# Allegro board RK3588_Template_LP4XD200P232SD10_32R6X52R0_2133MHz_H0R80_V10_20230220.brd (continued)
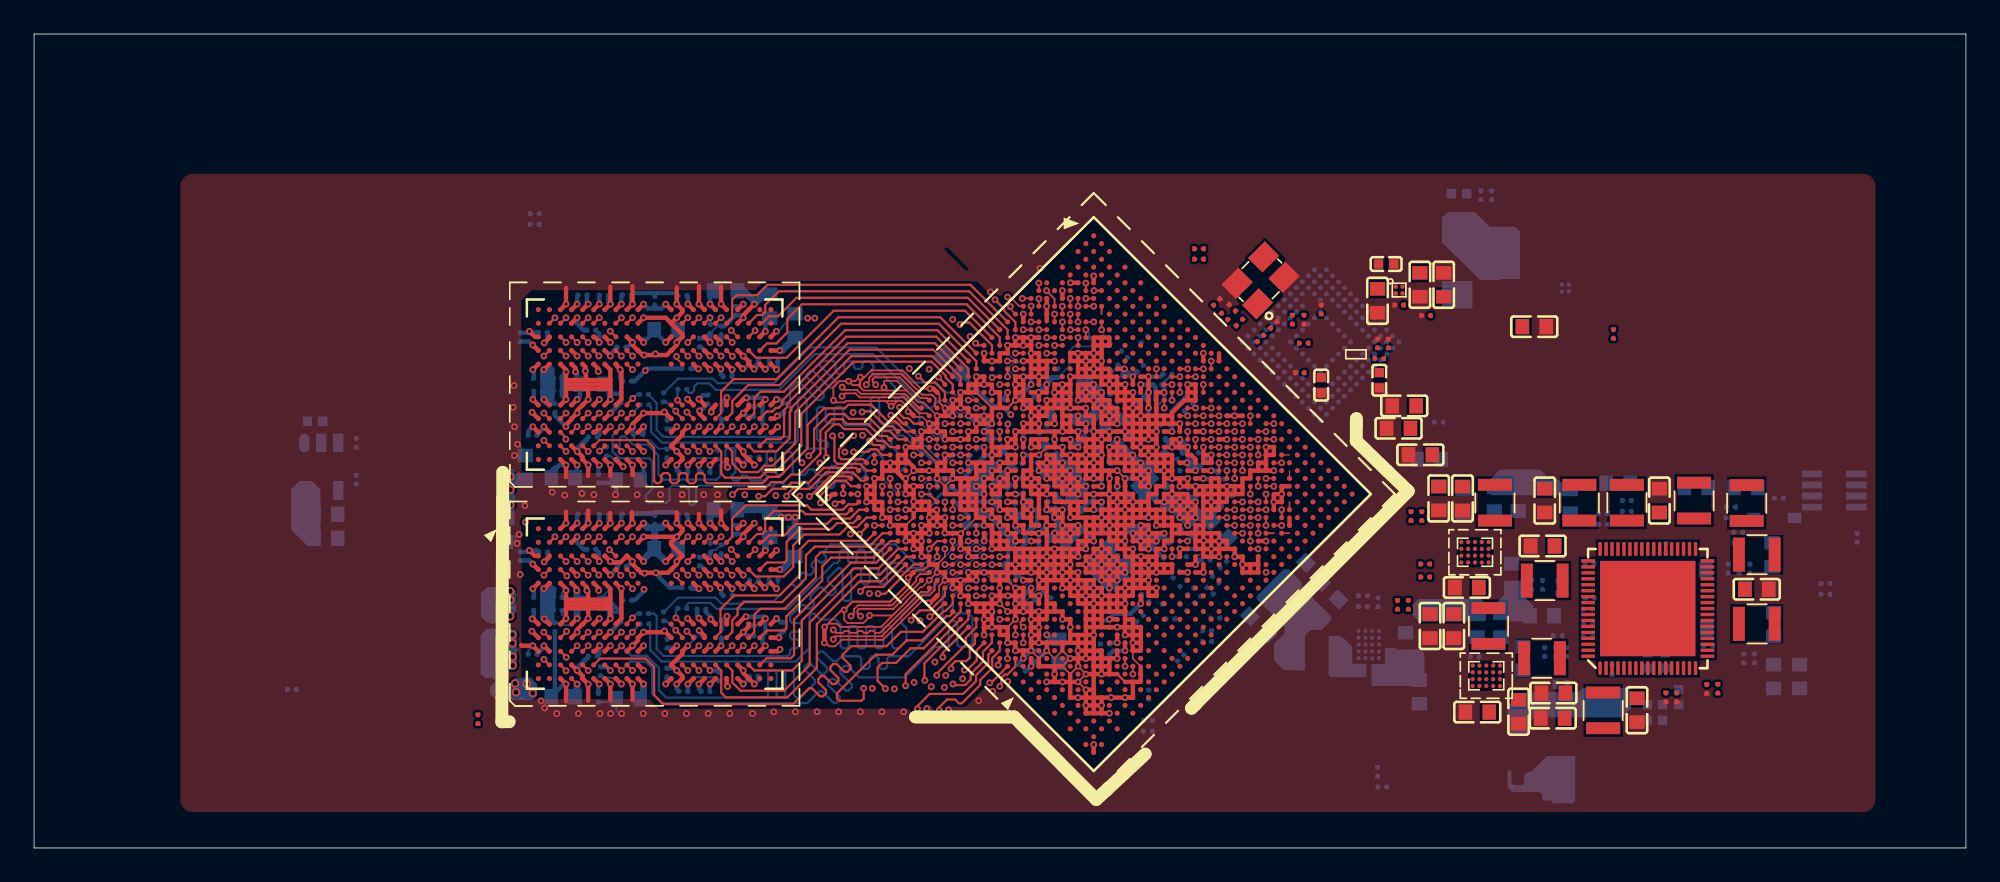
[diagram p0: board, top side]
## Routing (per net, layer and track width the routed paths; a pad name or vN(x,y) marks a point on that pad's centre or on a via; arc(x,y) is an arc through that point) (continued)
; 60.35,17.1 U1000.W11 ; 60.35,17.1 U1000.Y11 ; U1000.V4 v1(56.68,14.35) U1000.V5 ; U1000.V4 v1(56.22,14.81) U1000.V5 ; U1000.V4 55.76,14.35 ; U1000.AB29 v1(70,24) ; 70.92,21.24 70.92,21.7 70.92,21.7 ; U3800.V5 40.65,13.27 40.67,13.29 v1(40.67,13.61) ; v1(60.35,16.18) U1000.Y10 ; v1(60.35,16.18) U1000.AA11 ; v1(60.35,16.18) U1000.Y11 ; U1000.Y10 59.89,15.73 ; U1000.Y10 v1(59.43,16.18) ; 65.87,24.91 65.87,24.91 ; 65.87,24.91 v1(65.87,24.46) ; 65.87,24.91 65.41,24.91 ; 68.63,18.95 68.63,19.4 ; 68.63,18.95 U1000.AG22 ; 58.05,14.81 57.6,14.81 ; 58.05,14.81 U1000.W7 v1(57.6,15.27) 57.6,14.81 ; 62.65,13.43 62.65,12.97 ; 62.65,13.43 62.19,13.43 ; 62.65,12.97 62.19,12.97 ; U1000.AM24 71.84,16.65 ; 62.19,12.97 62.19,13.43 ; 62.19,12.97 v1(62.19,12.51) ; U1000.J21 v1(59.43,26.3) U1000.J20 ; U1000.J21 v1(59.89,26.76) ; U1000.J21 59.89,25.84 ; U3801.T1 v1(39.02,22.49) ; 64.03,13.43 U1000.AG12 ; U3800.D11 v1(31.87,18.27) ; U1000.R5 v1(55.76,16.18) U1000.T6 56.22,16.18 ; U1000.R5 v1(54.84,16.18) 54.84,15.73 ; U1000.R5 v1(55.3,15.72) 54.84,15.73 ; U1000.AC16 63.57,17.56 63.57,18.02 ; U1000.AC16 v1(64.03,18.02) ; U1000.AD10 61.73,14.8 v1(61.73,14.8) ; U1000.AD10 61.73,13.89 ; 32.52,27.48 33.57,27.48 ; 32.52,27.48 31.31,27.48 31.22,27.38 ; 63.11,22.16 v1(63.57,22.16) ; 60.81,12.05 60.81,12.51 ; 60.81,12.05 U1000.AE6 ; U1000.AL5 v1(62.65,8.37) ; U1000.AL5 62.19,8.83 ; U1000.AL5 v1(63.22,8.83) 64.03,8.83 v1(64.03,8.83) ; v1(62.65,8.37) U1000.AL4 ; v1(62.65,8.37) U1000.AM4 ; U1000.N26 64.03,26.3 ; U1000.N26 64.03,26.76 63.57,26.76 ; U1000.N26 v1(64.03,27.22) U1000.M26 ; 64.03,26.3 U1000.N25 ; 52.08,19.86 U1000.G6 ; v1(60.35,27.22) U1000.J23 60.81,27.22 ; v1(60.35,27.22) U1000.H22 v1(59.89,26.76) ; 63.57,18.94 63.57,18.48 ; 63.57,18.94 63.57,19.4 ; 63.57,18.94 U1000.AA17 ; 63.57,18.94 U1000.AA17 ; 63.57,18.94 63.58,18.95 64.03,18.95 ; 63.57,18.48 63.57,18.48 U1000.AA16 ; 63.57,18.48 63.57,18.02 ; 63.57,18.48 U1000.AB17 ; U1000.Y19 64.03,20.78 ; U3801.W4 v1(41.62,25.54) 41.95,25.86 U3801.Y5 ; 58.06,16.64 58.06,16.65 58.06,17.09 ; 58.06,16.64 U1000.V8 ; 70.92,21.7 71.38,21.7 71.38,22.16 71.84,22.16 ; 70.92,21.7 U1000.AF28 ; U1000.T26 v1(64.95,25.38) ; U1000.T26 65.41,24.91 ; v1(64.95,25.38) U1000.T25 ; v1(64.95,25.38) U1000.R25 ; 60.81,27.22 60.81,26.76 ; v1(59.43,16.18) 58.97,16.18 ; v1(59.43,16.18) U1000.Y9 ; 70,20.78 70,20.32 U1000.AF25 ; 70,20.78 69.55,20.78 ; 70,20.78 v1(70,21.24) ; U3800.Y8 v1(42.27,15.22) ; 60.81,12.51 v1(60.81,12.97) 60.81,13.43 v1(60.35,13.43) U1000.AC8 59.89,13.89 ; 60.81,12.51 61.27,12.51 ; 59.89,13.89 U1000.AB8 59.43,14.35 ; 56.22,18.02 U1000.P8 ; U3800.A3 v1(29.27,11.87) 28.63,11.87 28.58,11.92 ; 61.73,13.89 61.73,13.89 62.19,13.89 ; 39.02,32.99 v1(39.02,31.94) U3801.T12 ; 64.95,19.86 U1000.AB20 ; 64.95,19.86 U1000.AA20 ; 62.19,13.43 62.19,13.89 ; 65.87,26.76 v1(66.33,26.76) ; 65.87,26.76 U1000.R28 ; 58.06,17.09 57.59,17.09 ; 58.06,17.09 58.06,17.56 ; 59.89,15.73 U1000.Y9 ; 63.57,26.76 U1000.N25 ; 63.57,26.76 U1000.M26 ; 62.19,18.94 U1000.W16 62.19,19.4 ; 62.19,18.94 U1000.Y16 ; 62.19,18.94 U1000.Y15 ; U1000.AF24 69.09,19.4 68.63,19.4 ; U1000.AF24 69.54,19.86 69.55,19.86 U1000.AF25 ; v1(62.19,22.62) 62.19,23.08 U1000.R20 ; v1(62.19,22.62) U1000.T20 ; 55.76,22.62 U1000.J12 55.3,22.16 ; 55.76,22.62 U1000.H12 ; v1(58.05,13.89) U1000.Y5 ; U1000.AB5 58.51,12.97 ; 58.51,12.97 v1(58.51,12.51) ; 58.51,12.97 58.53,12.96 v1(58.97,12.96) ; 58.51,12.97 v1(58.51,13.42) ; U1000.AG12 63.57,13.89 ; U1000.AG12 v1(64.03,14.35) ; 63.57,13.89 U1000.AF11 ; v1(63.11,18.94) U1000.AA16 ; v1(63.11,18.94) U1000.AA17 ; v1(63.11,18.94) U1000.Y16 ; U1000.AA16 62.65,18.48 ; U1000.AA16 63.11,18.02 U1000.AB16 63.57,18.02 ; v1(62.19,24.46) U1000.N22 62.19,25.38 61.73,25.38 U1000.M22 v1(61.73,25.84) 61.27,25.84 U1000.K21 ; U1000.W19 64.03,20.78 ; 61.27,19.4 61.73,19.4 ; 61.27,19.4 60.82,19.4 v1(60.81,19.4) 60.81,19.41 60.81,19.86 ; 61.73,19.4 62.19,19.4 ; 53.92,15.72 U1000.P3 v1(53.46,15.72) U1000.N3 v1(53,16.18) U1000.M3 52.54,16.64 U1000.L3 52.12,17.1 v1(52.1,17.12) 52.06,17.16 52.06,17.55 U1000.K3 ; U1000.F16 56.22,25.38 v1(56.22,24.92) 55.76,24.92 U1000.F15 ; v1(54.84,22.62) U1000.H12 ; U1000.H12 55.3,22.16 ; v1(62.65,10.21) U1000.AJ7 ; v1(62.65,10.21) 62.19,10.21 ; U1000.AJ7 62.65,11.13 ; U1000.AJ7 62.19,10.67 ; U1000.AJ7 63.11,10.67 ; 64.49,24 64.49,23.54 ; 64.49,24 64.03,24 U1000.T23 v1(64.03,24.46) ; v1(55.76,27.22) 55.3,27.22 ; v1(55.76,27.22) U1000.C18 v1(55.3,27.68) 55.3,27.22 ; U1000.R25 64.49,24.92 ; v1(39.02,13.5) 39.02,13.47 U3800.T5 ; 54.84,21.7 U1000.H10 ; 54.84,21.7 U1000.J11 55.3,22.16 ; 54.84,21.7 U1000.J10 ; U1000.H10 54.38,21.25 ; U1000.H10 v1(53.92,21.7) 53.92,22.16 ; U1000.N25 63.57,26.3 ; 64.49,23.54 U1000.U23 ; 64.49,23.54 v1(64.95,23.54) ; 61.73,14.81 v1(61.73,14.8) ; 61.73,14.81 U1000.AC11 ; 62.65,11.13 U1000.AH8 62.19,11.59 ; 62.65,11.13 U1000.AJ8 ; 62.65,11.13 62.19,11.13 ; v1(58.97,15.72) U1000.Y9 ; v1(58.97,15.73) 58.97,16.18 ; 63.57,14.35 63.11,14.35 ; 56.22,16.18 56.7,16.18 ; U1000.C23 v1(57.6,29.97) 57.6,29.51 ; v1(62.19,12.51) 62.19,12.06 ; U1000.F10 v1(53.46,23.08) U1000.F11 53.92,23.08 ; U1000.F10 53.46,22.16 ; U1000.AB24 v1(67.25,21.24) U1000.AC24 ; U1000.AB24 v1(67.71,21.7) U1000.AC24 ; 60.81,24.92 U1000.L21 60.35,25.38 ; 60.81,24.92 U1000.M20 ; U1000.L19 59.89,24.46 58.97,24.46 ; v1(62.65,19.4) U1000.Y16 ; v1(62.65,19.4) 62.19,19.4 ; U1000.Y16 62.65,18.48 ; 33.82,32.96 v1(33.82,31.94) U3801.G12 ; 63.57,18.02 v1(64.03,18.02) ; U1000.Y12 v1(61.27,17.1) 61.27,17.56 ; U1000.Y12 v1(60.81,16.64) ; U1000.K26 62.65,27.67 ; U1000.K26 v1(62.65,28.59) ; 62.65,27.67 62.65,27.68 62.19,27.68 ; U1000.G10 53.46,22.16 ; U1000.G10 53.92,22.16 ; U1000.G10 53.92,22.16 ; 64.49,16.64 U1000.AE16 ; 64.49,16.64 U1000.AE15 ; v1(62.65,23.08) 62.19,23.08 U1000.R20 ; v1(62.65,23.08) 62.65,23.54 U1000.R21 ; v1(62.65,23.08) 62.65,22.62 U1000.T20 ; U3800.C12 v1(31.22,19.07) 31.22,19.75 ; U1000.J20 59.89,25.84 ; U1000.J20 v1(58.97,25.84) ; 33.57,27.48 33.8,27.48 33.82,27.46 ; v1(58.51,12.51) 58.51,12.05 ; 32.52,19.81 v1(32.52,19.07) U3800.E12 ; v1(57.59,16.65) 57.59,17.09 ; v1(57.59,16.65) 57.13,16.65 57.13,16.65 57.13,16.19 57.14,16.18 ; v1(50.24,22.62) U1000.C7 ; 66.32,16.64 U1000.AG18 66.79,16.18 66.32,16.18 ; 66.32,16.64 66.32,16.18 ; v1(65.41,23.08) U1000.V23 64.95,23.08 v1(64.95,23.54) ; v1(65.41,23.08) U1000.W23 65.87,22.62 ; U1000.R24 64.49,24.92 ; U1000.R24 v1(64.03,24.46) ; 64.49,24.92 U1000.T25 ; v1(61.73,11.13) 62.19,11.13 ; v1(61.73,11.13) U1000.AG6 ; 62.19,11.13 62.19,11.59 ; 62.19,11.13 62.19,10.67 62.19,10.67 ; 57.59,29.51 U1000.C22 ; 57.6,29.51 U1000.C22 ; U1000.C22 v1(57.14,29.51) U1000.C21 56.68,29.05 U1000.C20 v1(56.22,28.59) U1000.B19 v1(55.76,29.05) ; 33.82,8.71 v1(33.82,9.62) U3800.G1 ; U1000.F21 58.51,27.68 ; U1000.F21 v1(58.05,27.67) ; U1000.F21 58.51,27.68 ; 58.51,27.68 58.51,28.13 ; v1(64.03,18.02) U1000.AB17 ; U1000.AJ8 63.57,11.13 v1(63.57,11.13) U1000.AJ9 ; U1000.AJ8 63.11,10.67 ; U1000.AF25 69.55,20.78 ; 60.35,12.05 U1000.AE6 ; 60.35,12.05 60.35,11.59 ; 60.35,12.05 U1000.AE6 ; 66.79,18.94 U1000.AE21 67.25,18.48 ; 66.79,18.94 U1000.AD20 ; 66.79,18.94 U1000.AE20 ; 64.95,15.27 U1000.AF15 ; 51.62,23.54 U1000.C9 v1(51.16,23.54) U1000.C8 ; U1000.D31 v1(62.19,33.59) ; v1(55.76,12.51) U1000.W2 ; U1000.W2 v1(55.76,13.43) ; 71.84,22.16 72.3,22.16 ; 71.84,22.16 U1000.AF30 72.3,22.62 ; U1000.AG22 68.63,18.02 ; 58.51,12.05 U1000.AC4 ; 58.51,12.05 v1(58.51,11.59) U1000.AC3 ; U1000.K9 55.3,20.32 ; U1000.K9 54.84,20.78 ; U1000.K9 54.38,20.32 ; U1000.K9 54.84,19.86 ; 55.3,20.32 55.3,19.86 ; 55.3,20.32 55.3,20.32 55.3,20.78 54.84,20.78 ; v1(51.3,15.87) 51.62,16.18 ; U1000.T25 64.96,24.91 65.41,24.91 ; 62.19,8.83 U1000.AK5 ; 62.19,8.83 U1000.AL4 ; 62.19,8.83 61.73,8.83 ; v1(58.97,23.08) U1000.L16 58.51,22.62 U1000.M15 ; U1000.K3 v1(51.62,17.56) 51.62,18.02 ; U1000.G3 v1(50.24,18.94) U1000.F3 49.78,19.4 v1(49.78,19.4) U1000.E3 49.78,19.86 ; 54.84,14.81 v1(54.84,14.35) U1000.U3 ; 54.84,14.81 U1000.T3 54.84,14.81 ; U1000.AC11 61.27,15.27 ; U1000.AC11 v1(62.19,15.27) ; U1000.AC11 61.73,15.73 ; 61.27,15.27 61.27,15.72 ; v1(58.97,16.64) 58.97,16.18 ; v1(38.37,11.87) U3800.P3 38.05,11.4 U3800.N2 v1(37.72,10.42) 38.05,10.1 U3800.P1 v1(37.72,9.62) ; U3801.C1 v1(31.22,22.49) 31.22,21.78 ; 61.27,28.13 61.27,28.59 ; 51.62,20.79 v1(51.62,20.34) ; 60.81,9.75 U1000.AJ3 v1(61.27,8.83) U1000.AK4 ; 60.81,9.75 60.81,10.21 ; 60.81,9.75 v1(61.27,9.75) ; v1(64.03,21.7) U1000.W20 64.03,20.78 ; U1000.C8 51.16,22.83 51.33,22.67 ; U1000.C8 50.7,23.08 U1000.C7 ; U1000.AE12 v1(62.65,14.81) ; U1000.AE12 63.11,14.81 63.11,14.35 ; v1(62.65,14.81) U1000.AD12 v1(62.19,15.27) ; 54.84,20.78 U1000.J10 ; 62.19,10.21 62.19,10.21 U1000.AK5 ; 62.19,10.21 v1(61.73,10.21) ; 62.19,10.21 62.19,10.67 ; U1000.C7 50.7,22.04 ; U1000.C7 51.28,22.62 51.33,22.67 ; 73.68,19.4 U1000.AM28 ; 33.82,27.19 33.82,26.91 ; 33.82,27.19 33.79,27.22 31.22,27.22 ; 33.82,27.19 33.82,27.46 ; 33.82,26.91 v1(33.82,26.34) U3801.G5 ; U1000.R20 62.19,23.54 ; U1000.R21 62.19,23.54 ; v1(58.51,21.7) U1000.M14 ; v1(58.51,21.7) U1000.M15 ; v1(58.51,21.7) U1000.N15 58.97,21.7 v1(58.97,21.24) ; v1(58.51,21.7) U1000.N14 ; U1000.M14 58.05,21.24 U1000.N14 ; U1000.M14 58.05,22.16 U1000.M15 ; 64.95,16.18 U1000.AF16 ; 64.95,16.18 U1000.AE15 ; 64.95,16.18 U1000.AE16 ; 64.95,16.18 U1000.AF15 ; U1000.AF16 v1(65.87,16.18) ; U1000.AF16 v1(65.41,15.73) ; v1(54.38,25.84) 54.38,26.3 U1000.C15 ; v1(54.38,25.84) 53.92,25.84 ; U1000.H28 62.65,29.51 ; U1000.H28 63.11,29.97 63.11,29.51 ; 62.65,29.51 U1000.J27 ; 62.65,29.51 63.11,29.51 U1000.J28 63.11,29.51 ; U1000.N20 61.27,24 ; 61.27,24 61.73,24 ; 61.27,24 v1(61.27,24.46) U1000.M20 ; U1000.AA11 v1(60.81,16.64) ; U1000.AA11 v1(61.27,16.18) 61.27,15.73 ; 59.43,28.13 58.97,28.13 ; 59.43,28.13 U1000.F23 ; U1000.J5 v1(52.54,19.4) ; U1000.N14 v1(58.97,21.24) ; v1(40.66,26.44) 40.61,26.44 40.61,26.44 40.65,26.4 U3801.V5 ; U1000.D3 49.78,20.32 49.78,19.86 ; U1000.D3 v1(48.86,20.32) v1(48.86,21.24) U1000.C4 ; U1000.D3 49.32,19.86 49.78,19.86 ; U1000.AN7 v1(64.03,8.83) ; U1000.AN7 64.49,9.75 U1000.AM8 ; U1000.AN7 v1(64.03,8.83) ; v1(57.6,27.22) U1000.E20 v1(58.05,27.68) ; v1(57.6,27.22) U1000.F19 57.6,26.76 ; U1000.AJ11 64.95,12.51 ; U1000.V25 v1(65.87,24.46) ; U1000.C28 v1(60.35,32.73) ; v1(64.03,15.27) U1000.AE13 ; v1(64.03,15.27) U1000.AF13 ; U1000.AF15 v1(65.41,15.72) ; 58.51,28.59 58.97,28.59 58.97,28.59 ; 58.51,28.59 v1(58.51,29.05) ; 58.51,28.59 58.51,28.13 ; 58.51,28.59 U1000.E22 v1(58.05,28.59) ; U1000.Y5 v1(57.14,13.89) ; U1000.Y5 v1(57.59,13.43) ; 58.97,24.46 v1(58.97,24.92) ; 58.97,24.46 U1000.K18 58.51,24.46 ; 53.44,18.51 53.44,18.51 53.51,18.51 53.54,18.48 U1000.L6 54.36,18.48 54.38,18.46 ; 53.44,18.51 v1(53.46,18.5) ; 53.44,18.51 53.46,18.53 53.46,18.94 ; 58.97,28.13 U1000.F22 ; 58.97,28.14 58.97,28.59 ; 58.97,28.14 U1000.F22 ; 57.14,12.51 v1(57.14,12.05) U1000.AB3 v1(57.6,11.59) U1000.AC3 ; v1(62.19,29.05) U1000.J27 ; v1(62.19,29.05) 61.73,29.05 U1000.H26 ; U3800.V12 v1(40.32,19.07) 40.32,19.82 ; v1(42.26,28.12) 42.27,28.12 42.27,28.13 42.23,28.13 U3801.Y8 41.95,28.56 v1(41.62,28.89) U3801.W9 ; 32.52,14.58 32.52,14.07 ; 32.52,14.58 32.52,15.02 32.45,15.09 v1(32.45,15.12) 32.45,15.3 U3800.E8 ; 32.52,14.58 33.57,14.58 ; 32.52,14.58 31.24,14.58 31.22,14.56 ; 32.52,14.07 v1(32.52,13.47) U3800.E5 31.87,12.82 v1(31.87,12.67) U3800.D4 ; 32.52,14.07 33.57,14.07 ; 55.76,14.35 U1000.U3 ; 72.3,22.62 72.3,22.16 ; 72.3,22.62 U1000.AF31 ; 72.3,22.16 v1(72.76,22.16) ; U1000.G6 51.68,20.32 51.62,20.38 v1(51.62,20.34) ; U1000.M11 v1(56.22,20.32) ; 63.11,29.51 63.11,29.51 ; U3800.W4 v1(41.62,12.67) 41.95,13 U3800.Y5 ; 33.82,27.46 33.82,28.09 U3801.G8 ; v1(69.54,18.02) U1000.AJ23 70,17.61 70.05,17.56 ; v1(69.54,18.02) U1000.AJ22 ; 54.84,19.86 54.84,19.86 U1000.K8 54.38,20.32 ; 54.84,19.86 55.3,19.86 ; U3801.AB3 43.32,24.41 v1(43.64,24.73) ; 31.22,32.88 v1(31.22,31.94) U3801.C12 ; U3801.AB8 v1(43.57,28.09) ; U1000.AB32 70.92,25.38 U1000.AB32 ; U1000.AB32 v1(70.46,25.38) U1000.AA31 ; U1000.F22 58.51,28.13 ; U3800.AB3 43.67,11.55 v1(43.78,11.66) ; v1(61.27,10.67) U1000.AG6 ; U1000.AG6 v1(60.81,11.13) ; U1000.J15 v1(57.14,24) U1000.J16 ; U1000.J15 57.14,23.54 v1(57.59,23.54) U1000.J16 ; U3801.A3 v1(29.27,24.74) ; 66.32,16.18 v1(65.87,16.18) ; U1000.AF13 v1(64.03,14.35) ; 67.71,26.76 68.16,26.76 ; U3800.N4 v1(37,12.74) 36.93,12.67 v1(35.77,12.67) U3800.K4 35.45,12.2 v1(35.12,11.87) U3800.J3 ; U1000.AB17 64.03,18.95 ; 31.22,26.96 v1(31.22,26.34) U3801.C5 ; 31.22,26.96 31.22,27.22 ; 62.19,11.59 62.19,12.06 ; U3801.G3 v1(33.82,24.74) ; v1(58.51,13.42) 58.97,13.42 U1000.AB6 ; U1000.AL4 62.19,7.91 ; U1000.AL4 v1(61.73,8.37) ; 57.14,16.18 56.7,16.18 ; 57.14,16.18 57.6,16.18 ; U1000.AA24 66.79,22.62 ; U1000.J27 v1(62.65,28.59) ; 61.73,24 U1000.P20 ; U3801.T8 v1(39.67,28.09) ; U3800.G12 v1(33.82,19.07) 33.82,19.67 ; U3801.V12 v1(40.32,31.94) 40.32,32.97 ; 70.05,17.56 U1000.AJ22 ; U1000.F23 58.97,28.59 ; U1000.F23 v1(59.89,28.59) ; v1(55.76,13.43) U1000.W3 ; U1000.AK4 v1(61.73,8.37) ; U1000.AK4 61.73,8.83 ; v1(61.73,8.37) U1000.AL3 62.19,7.91 ; 31.22,27.22 31.22,27.38 ; v1(42.27,22.49) U3801.Y1 41.62,23.14 v1(41.62,23.29) U3801.W2 ; U1000.J6 v1(53.46,19.4) 53.46,18.94 ; U1000.J6 v1(52.54,19.4) ; 33.57,14.58 33.79,14.58 33.82,14.61 ; 33.57,14.58 33.57,14.07 ; v1(58.97,12.96) U1000.AB6 ; 73.22,20.78 v1(73.22,20.78) ; 73.22,20.78 v1(73.22,20.78) ; 73.22,20.78 U1000.AK29 73.22,20.32 v1(72.76,20.32) ; 73.22,20.78 U1000.AJ30 73.68,21.24 73.68,21.24 ; v1(73.22,20.78) 72.76,20.78 v1(72.76,20.32) ; U3800.T1 v1(39.02,9.62) ; U1000.AM4 v1(63.11,7.91) ; U1000.AM4 62.19,7.91 ; U1000.H14 56.22,24 56.22,24.46 U1000.G15 56.22,24.46 v1(55.76,24.46) ; U1000.AE20 67.25,18.48 ; U1000.Y11 v1(60.81,16.64) ; v1(65.41,23.99) 65.41,24.91 ; 35.13,21.9 35.12,21.9 v1(35.12,22.49) U3801.J1 ; U1000.AE13 63.57,15.27 ; U1000.AP1 v1(62.19,6.07) ; 68.63,20.78 U1000.AD25 ; 68.63,20.78 69.55,20.78 ; U1000.AC3 v1(58.05,11.13) ; v1(46.4,12.98) 46.38,12.96 v1(46.38,12.05) ; U1000.AD25 v1(68.17,21.24) ; U1000.V8 57.6,16.18 ; v1(42.27,31.94) U3801.Y12 41.62,31.29 v1(41.62,31.14) U3801.W11 ; 58.51,24.92 58.97,24.92 v1(58.97,24.92) ; 58.51,24.92 v1(58.51,25.38) ; 58.51,24.92 U1000.J18 ; 58.51,24.92 58.51,24.46 ; 61.27,15.73 61.73,15.73 ; 61.73,15.73 U1000.AC12 v1(62.19,15.27) ; U1000.C15 v1(53.92,26.3) 53.92,25.84 ; U3801.V8 v1(40.97,28.09) ; 58.97,28.59 58.97,29.05 U1000.E23 v1(58.51,29.05) ; 31.22,27.38 v1(31.22,27.95) 31.22,28.09 U3801.C8 ; U3801.K2 v1(35.77,23.29) ; 65.87,22.62 U1000.Y24 ; 58.97,10.67 58.97,11.13 ; 58.97,10.67 U1000.AE3 ; 59.89,25.84 U1000.K21 ; U1000.AF31 v1(72.3,23.54) U1000.AF32 72.76,23.08 U1000.AF31 ; U1000.AK5 v1(61.73,9.29) 61.73,8.83 ; 33.57,14.07 33.78,14.07 33.82,14.03 ; U1000.C14 53.92,25.84 ; 54.38,18.46 v1(54.39,18.46) ; 54.38,18.46 U1000.M6 v1(54.38,17.56) U1000.N6 54.84,17.1 v1(54.84,17.1) U1000.P6 ; 33.82,14.61 33.82,15.22 U3800.G8 ; 33.82,14.61 33.82,14.31 ; U1000.Y24 66.79,22.62 ; 57.59,17.09 57.59,17.56 U1000.T9 ; U1000.V27 v1(67.25,24.92) 67.25,24.46 U1000.W27 ; U3801.T5 39.35,26.04 v1(39.02,26.36) ; U1000.T9 58.06,17.56 ; U1000.Y15 62.65,18.48 ; v1(68.17,21.24) U1000.AC24 ; U1000.T33 v1(68.63,29.05) ; U3800.C1 v1(31.22,9.62) 31.22,8.61 ; 60.35,25.38 U1000.K21 ; 61.27,22.16 61.27,22.16 ; 33.82,21.85 v1(33.82,22.49) U3801.G1 ; 54.38,21.25 54.39,21.24 U1000.J10 ; 63.11,14.35 U1000.AF11 ; v1(38.37,24.74) U3801.P3 38.05,24.26 U3801.N2 v1(37.72,23.29) 38.05,22.96 U3801.P1 v1(37.72,22.49) ; 58.97,16.18 U1000.W9 ; 58.97,16.18 U1000.W9 ; 58.06,17.56 58.51,17.56 ; 68.17,24.46 68.16,24.46 ; 68.17,24.46 v1(68.63,24.46) ; 68.17,24.46 U1000.Y28 ; U3800.K2 v1(35.77,10.42) ; U3800.W2 v1(41.62,10.42) 41.62,10.27 U3800.Y1 v1(42.27,9.62) ; U1000.B27 v1(59.43,31.81) U1000.C26 59.43,30.93 ; U3801.A10 29.39,30.01 v1(29.07,30.34) ; U1000.P20 62.19,23.54 ; U3800.AB8 v1(43.57,15.22) ; U3800.C8 31.22,15.22 v1(31.22,15.12) 31.22,14.56 ; U1000.U12 v1(59.43,18.94) ; U3801.T10 v1(39.67,29.69) ; 33.82,14.03 v1(33.82,13.47) U3800.G5 ; 33.82,14.03 33.82,14.31 ; v1(52.58,26.98) 52.78,26.98 U1000.A14 ; U1000.AM8 64.03,9.75 ; U1000.AM8 64.95,9.75 U1000.AM9 64.95,10.66 ; 33.82,14.31 33.81,14.33 31.22,14.33 ; 31.22,14.33 31.22,14.56 ; U3801.T3 v1(39.67,24.74) ; U3800.J12 v1(35.12,19.07) 35.1,19.1 35.1,19.72 ; v1(40.7,22.35) 40.65,22.41 U3801.V1 ; U3801.D2 v1(31.87,23.29) 32.2,22.96 U3801.E1 v1(32.52,22.49) 32.52,21.85 ; U3800.AB5 v1(43.57,13.47) ; U3800.V8 v1(40.97,15.22) ; v1(42.27,19.07) U3800.Y12 41.62,18.42 v1(41.62,18.27) U3800.W11 ; 69.54,29.05 U1000.U34 ; U3801.AB5 v1(43.57,26.34) ; U3801.AB10 v1(43.57,30.34) ; U3800.AB10 v1(43.57,17.47) ; 35.12,8.69 v1(35.12,9.62) U3800.J1 ; U1000.AL25 v1(72.3,18.02) ; v1(59.43,18.94) U1000.U13 ; U3801.J12 v1(35.12,31.94) 35.12,32.99 ; U3800.T8 v1(39.67,15.22) ; U3800.G3 v1(33.82,11.87) ; U1000.C30 v1(60.83,33.19) ; U3800.T3 v1(39.67,11.87) ; U3801.E12 v1(32.52,31.94) ; v1(72.76,20.32) U1000.AK28 ; U3800.T10 v1(39.67,16.82) ; U3800.D9 v1(31.87,16.02)
  L3-POWER1 w0.203: v1(70.92,16.64) 70.92,16.64 v1(70.46,17.1) 70.46,17.31 70.21,17.56 v1(69.09,17.56)
  L4-S1 w0.084: v1(31.87,28.89) 31.87,29.06 31.67,29.26 30.99,29.26 30.63,28.9 ; 47.64,15.05 45.82,16.87 43.65,16.87 43.57,16.79 43.57,16.58 43.46,16.48 43.46,16.22 43.57,16.11 v1(43.57,15.22) ; v1(36.5,16.16) 36.47,16.13 v1(35.84,16.13) ; 30.44,15.7 31.02,16.29 31.58,16.29 31.84,16.02 v1(31.87,16.02)
  L4-S1 w0.089: 43.28,27.8 43.95,27.8 44.01,27.86 ; 43.28,27.8 42.78,27.8 ; 43.28,27.8 43.36,27.88 ; 44.01,27.86 44.06,27.91 ; 44.01,27.86 43.98,27.88 43.36,27.88 ; 47.95,26.82 47.9,26.77 47.85,26.82 47.85,26.36 47.63,26.14 47.06,26.14 ; v1(49.88,27.04) 49.66,26.82 48.45,26.82 ; 43.36,27.88 v1(43.57,28.09)
  L4-S1 w0.102: 47.9,26.86 47.94,26.82 47.95,26.82 ; 47.9,26.86 47.85,26.91 ; 47.9,26.86 48.42,26.86 48.45,26.82 ; 44.47,26.01 44.14,26.34 v1(43.57,26.34) 43.2,25.96 41.9,25.96 41.85,26.01 ; 44.47,26.01 41.85,26.01 ; 44.47,26.01 46.64,26.01 v1(46.91,26.29) 47.06,26.14 ; v1(40.97,28.09) 40.97,27.82 40.99,27.8 ; 36.76,28.87 37.15,29.27 38.19,29.27 38.21,29.25 38.6,29.25 38.71,29.13 38.71,29.03 38.71,29.02 38.71,28.63 38.88,28.45 39.31,28.45 v1(39.67,28.09) 39.96,27.8 40.99,27.8 ; 36.76,28.87 36.61,28.87 v1(36.46,29.02) 36.33,28.89 35.86,28.89 v1(35.8,28.95) ; 36.76,28.87 36.94,28.87 38.42,27.39 38.47,27.39 38.55,27.32 39.6,27.32 39.71,27.2 44.29,27.2 ; v1(36.5,16.16) 36.65,16.01 36.89,16.01 ; 45.02,13.79 45.83,12.98 v1(46.4,12.98) ; 45.02,13.79 44.45,14.36 ; 45.02,13.79 45.02,14.36 ; 47.95,26.82 48.45,26.82 ; 47.95,26.82 47.95,26.82 ; v1(43.57,28.09) 43.75,27.91 44.06,27.91 44.13,27.98 44.42,27.98 44.48,27.91 44.72,27.91 44.79,27.98 45.53,27.98 46.85,29.3 48.31,29.3 50.02,27.58 50.02,27.19 v1(49.88,27.04) ; 44.45,14.36 38.82,14.36 38.76,14.42 37.74,14.42 37.62,14.54 37.62,15.44 37.05,16.01 36.89,16.01 ; 44.45,14.36 45.02,14.36 ; v1(47.55,13.98) 47.55,14 47.19,14.36 45.02,14.36 ; 36.89,16.01 37.25,16.37 38.22,16.37 38.23,16.38 38.52,16.38 38.52,16.37 38.95,16.37 38.98,16.34 39.15,16.34 39.34,16.15 39.34,15.56 v1(39.67,15.22) 39.69,15.22 39.95,14.96 40.71,14.96 v1(40.97,15.22) 41.24,14.96 42.11,14.96 42.27,15.12 v1(42.27,15.22) 42.54,14.96 43.47,14.96 43.57,15.07 v1(43.57,15.22) ; 41.85,26.01 41.78,26.08 41.03,26.08 v1(40.66,26.44) 40.61,26.44 40.61,26.5 40.5,26.6 39.25,26.6 39.02,26.37 v1(39.02,26.36) 38.68,26.7 38.3,26.7 38.28,26.72 30.23,26.72 30,26.95 30,27.69 30.27,27.97 30.27,28.54 30.63,28.9 ; 30.44,15.7 30.43,15.69 30.43,15.03 30.3,14.9 30.11,14.9 30.01,14.8 30.01,13.93 30.11,13.82 38.5,13.82 38.68,13.64 38.87,13.64 v1(39.02,13.5) 39.02,13.52 39.27,13.77 40.52,13.77 v1(40.67,13.61) 41.07,13.61 41.52,13.16 42.78,13.16 42.79,13.16 43.05,13.16 43.06,13.16 43.26,13.16 v1(43.57,13.47) 44.14,13.47 45.57,12.05 v1(46.38,12.05) ; 48.45,26.82 48.45,26.91 ; 47.86,26.91 47.96,27.01 47.96,27.26 v1(47.81,27.41) 47.8,27.4 47.18,27.4 46.89,27.11 46.65,27.11 46.3,26.75 44.6,26.75 44.29,27.07 44.29,27.2 ; 47.86,26.91 48.45,26.91 ; 47.86,26.91 47.85,26.91 ; 47.85,26.91 47.85,26.82 ; 40.99,27.8 42.78,27.8 ; 48.45,26.91 48.45,27.61 v1(48.49,27.65) 48.41,27.73 46.55,27.73 46.02,27.2 44.29,27.2 ; 47.64,15.05 v1(49.04,13.65)